# Altium PCB EPS.PcbDoc (part 8 of 10)
Units mm, origin at the board's own origin, x right, y up, seen from the top; angles counter-clockwise.
Board outline 90.25 x 93.64 mm, 8 copper layers (Top Layer, PGND, Power, Control Signals 1, Control Signals 2, Signal 1, Signal 2, Bottom Layer), stack 1.637 mm thick; 953 components, 561 nets, 2718 pads, 883 vias.
Unrouted connection lines stored in the file: 2.
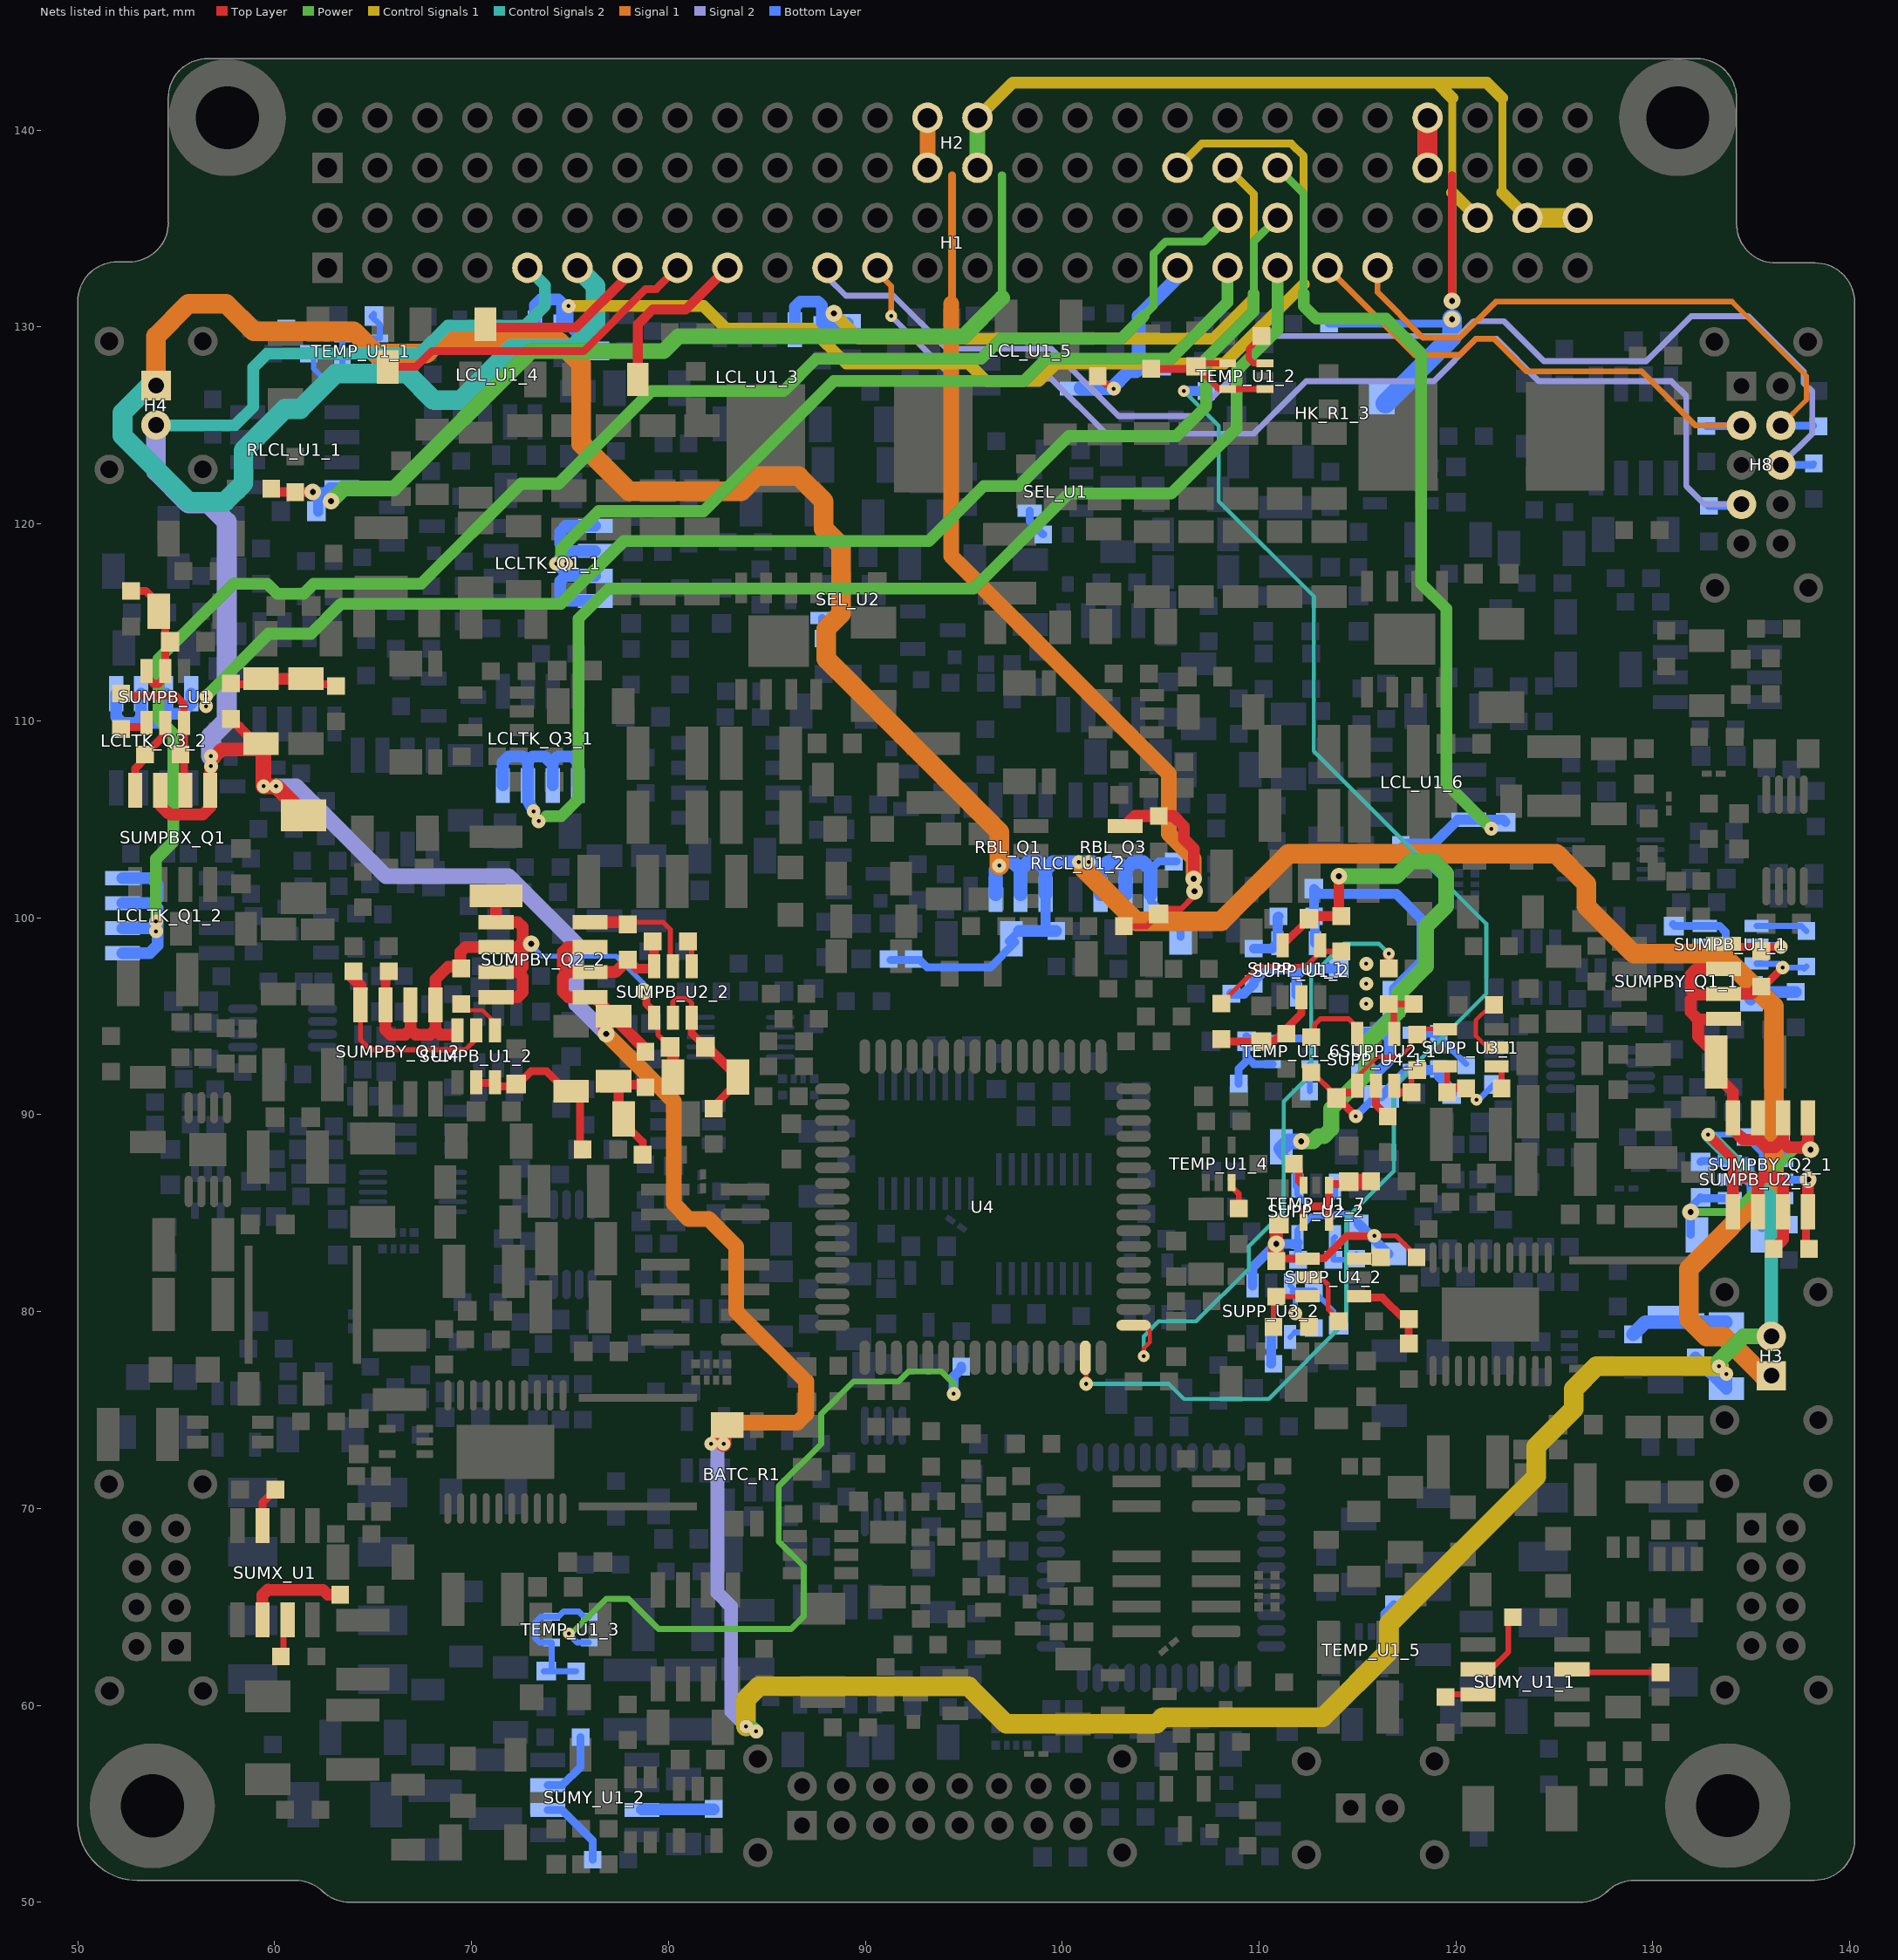
[diagram p14: the nets of this part, all layers, seen from the top]

## Via types
v1: diameter 0.7, hole 0.2, Top Layer to Bottom Layer, 440 vias
v2: diameter 0.85, hole 0.3, Top Layer to Bottom Layer, 329 vias
v3: diameter 0.6, hole 0.2, Top Layer to Bottom Layer, 70 vias
v4: diameter 0.8, hole 0.3, Top Layer to Bottom Layer, 24 vias
v5: diameter 0.75, hole 0.3, Top Layer to Bottom Layer, 13 vias
v6: diameter 0.7, hole 0.3, Top Layer to Bottom Layer, 3 vias
v7: diameter 1, hole 0.4, Top Layer to Bottom Layer, 2 vias
v8: diameter 1, hole 0.3, Top Layer to Bottom Layer, 1 vias
v9: diameter 0.75, hole 0.2, Top Layer to Bottom Layer, 1 vias

## Nets (pads, with @x,y where several pads share a name; then routed paths per layer and width w, separated by ;. In a path a pad name is that pad's centre, name@x,y a point inside that pad or via, vN(x,y) a via of type N, cw(c..) or ccw(c..) an arc to the next point about the centre after c; other vN are vias at no path point) (continued)
NetSEL_R6_2: SEL_R6.2 U4.15 | length 74.3
  Top Layer w0.254: U4.15@101.174,77.656 101.092,77.574 101.219,77.447 v1(101.219,76.327)
  Control Signals 2 w0.208: v1(101.219,76.327) 105.41,76.327 106.172,75.565 110.49,75.565 114.427,79.502 114.427,84.709 116.84,87.122 116.84,91.44 121.539,96.139 121.539,99.695 112.776,108.458 112.776,116.332 107.95,121.158 107.95,124.979 v3(106.172,126.757)
  Bottom Layer w0.5: v3(106.172,126.757) SEL_R6.2@107.315,126.757
NetSEL_R8_1: SEL_R8.1 SEL_U1.4 | length 1.5
  Bottom Layer w0.4: SEL_U1.4@98.347,120.678 98.347,120.155 SEL_R8.1@99.033,119.469
NetSEL_R9_1: SEL_R9.1 SEL_U2.4 | length 1.3
  Bottom Layer w0.3: SEL_R9.1@87.806,114.186 SEL_R9.1@87.973,114.019
  Bottom Layer w0.4: SEL_R9.1@87.806,114.186 SEL_U2.4@87.806,115.217
NetSUMPB_U1_1_2: SUMPB_U1_1.2 SUMPB_U1_1.3 SUMPBY_C1_1.2 SUMPBY_C2_1.2 SUMPBY_R4_1.1 | length 10.2
  Bottom Layer w0.4: SUMPBY_C2_1.2@131.026,99.668 131.103,99.591 SUMPB_U1_1.3@132.637,99.591 133.378,99.591 133.693,99.276 133.693,98.895 133.439,98.641 ; SUMPB_U1_1.2@132.637,98.641 133.439,98.641 ; SUMPBY_C1_1.2@134.962,95.847 134.962,96.305 133.858,97.409 133.858,98.222 133.439,98.641
  Bottom Layer w0.6: SUMPBY_C1_1.2@134.962,95.847 135.343,96.228 SUMPBY_R4_1.1@137.249,96.228
NetSUMPB_U1_1_4: SUMPB_U1_1.4 SUMPBY_R5_1.2 | length 2.6
  Bottom Layer w0.3: SUMPB_U1_1.4@135.257,99.591 137.529,99.591 SUMPBY_R5_1.2@137.795,99.325
NetSUMPB_U1_1_5: SUMPB_U1_1.5 SUMPBY_Q1_1.G SUMPBY_R1_1.2 | length 4.5
  Top Layer w0.4: SUMPBY_Q1_1.G@133.426,98.636 133.537,98.525 v1(136.498,98.525) v1@136.525,98.552
  Bottom Layer w0.4: SUMPB_U1_1.5@135.257,98.641 135.322,98.576 136.498,98.576 v1(136.498,98.525)
NetSUMPB_U1_1_6: SUMPB_U1_1.6 SUMPB_U2_1.1 SUMPBY_C5_1.1 SUMPBY_C6_1.1 SUMPBY_C7_1.1 SUMPBY_Q1_1.S SUMPBY_Q2_1.D SUMPBY_R1_1.1 SUMPBY_R5_1.1 | length 39.2
  Top Layer w0.4: SUMPBY_R1_1.1@135.471,96.725 135.841,96.725 v1(136.588,97.472)
  Top Layer w0.6: SUMPBY_Q1_1.S@133.426,94.826 132.301,94.826 ; SUMPBY_Q1_1.S@133.426,96.096 132.174,96.096 ; SUMPBY_Q1_1.S@133.426,97.366 132.164,97.366 131.915,97.117 131.915,96.355 132.174,96.096 ; SUMPBY_Q1_1.S@133.591,96.134 135.007,96.134 SUMPBY_R1_1.1@135.509,96.636 ; SUMPBY_Q2_1.D@135.339,89.972 SUMPBY_Q2_1.D@135.339,89.845 135.339,88.74 ; SUMPBY_Q2_1.D@136.609,89.972 SUMPBY_Q2_1.D@136.609,89.845 136.609,88.73 ; SUMPBY_Q2_1.D@137.879,89.972 SUMPBY_Q2_1.D@137.879,89.845 137.879,88.603 137.63,88.354 136.868,88.354 136.609,88.613 136.609,88.73 ; 132.174,96.096 132.164,96.096 131.915,95.847 131.915,95.212 132.301,94.826 ; 132.301,94.826 132.301,93.962 133.209,93.054 SUMPBY_C7_1.1@133.209,92.672 133.463,92.672 133.463,91.759 134.069,91.153 SUMPBY_Q2_1.D@134.069,89.845 134.069,89.248 134.587,88.73 135.339,88.73 135.339,88.74 ; 135.339,88.74 135.725,88.354 136.233,88.354 136.609,88.73
  Power w0.4: v2(131.916,85.052) 134.074,85.052 137.249,88.227 v2(138.011,88.227)
  Bottom Layer w0.3: SUMPB_U1_1.6@135.257,97.663 136.398,97.663 v1(136.588,97.472) 137.616,97.472 137.679,97.409 SUMPBY_R5_1.1@137.795,97.525 ; SUMPB_U1_1.6@135.257,97.691 SUMPB_U1_1.6@135.532,97.691
  Bottom Layer w0.4: SUMPBY_C5_1.1@131.916,83.909 v2(131.916,85.052) 131.916,85.296 SUMPBY_C6_1.1@132.423,85.803 132.473,85.753 SUMPB_U2_1.1@133.907,85.753
NetSUMPB_U1_2: SUMPB_U1.2 SUMPB_U1.3 SUMPBX_C1.2 SUMPBX_C2.2 SUMPBX_R4.1 | length 7.8
  Top Layer w0.4: SUMPBX_R4.1@52.705,116.597 53.456,116.597 54.103,115.95 SUMPBX_C1.2@54.103,115.57 ; SUMPB_U1.3@53.495,112.524 53.495,112.24 53.848,111.887 54.102,111.887 54.445,112.23 SUMPB_U1.2@54.445,112.524 54.445,113.765 SUMPBX_C2.2@54.688,114.008 54.446,114.25 54.446,115.659 SUMPBX_C1.2@54.054,116.051
NetSUMPB_U1_2_2: SUMPB_U1_2.2 SUMPB_U1_2.3 SUMPBY_C1_2.2 SUMPBY_C2_2.2 SUMPBY_R4_2.1 | length 8.4
  Top Layer w0.4: SUMPB_U1_2.2@70.32,91.616 71.27,91.616 71.446,91.44 72.263,91.44 73.025,92.202 73.812,92.202 SUMPBY_C1_2.2@75.032,90.983 ; SUMPBY_R4_2.1@75.516,88.227 SUMPBY_C1_2.2@75.516,91.008
NetSUMPB_U1_2_4: SUMPB_U1_2.4 SUMPBY_R5_2.2 | length 2.5
  Top Layer w0.208: SUMPBY_R5_2.2@69.469,95.62 69.787,95.302 70.56,95.302 71.181,94.681 SUMPB_U1_2.4@71.181,94.274
NetSUMPB_U1_2_5: SUMPB_U1_2.5 SUMPBY_Q1_2.G SUMPBY_R1_2.2 | length 10.1
  Top Layer w0.254: SUMPBY_Q1_2.G@64.356,95.58 64.356,93.81 64.87,93.296 69.69,93.296 70.231,93.837 SUMPB_U1_2.5@70.231,94.274
  Top Layer w0.6: SUMPBY_R1_2.2@63.959,97.255 63.959,96.95 64.351,96.558 SUMPBY_Q1_2.G@64.351,95.847
NetSUMPB_U1_2_6: SUMPB_U1_2.6 SUMPB_U2_2.1 SUMPBY_C5_2.1 SUMPBY_C6_2.1 SUMPBY_C7_2.1 SUMPBY_Q1_2.S SUMPBY_Q2_2.D SUMPBY_R1_2.1 SUMPBY_R5_2.1 | length 37.4
  Top Layer w0.254: SUMPB_U2_2.1@79.464,94.45 79.464,94.058 SUMPBY_C6_2.1@80.088,93.434
  Top Layer w0.4: v2@78.715,96.241 78.867,96.09 78.867,95.631 79.276,95.222 SUMPB_U2_2.1@79.276,94.918 ; v2(78.74,96.266) v2@78.791,96.266
  Top Layer w0.5: SUMPBY_Q1_2.S@65.626,95.58 SUMPBY_R1_2.1@65.626,97.365
  Top Layer w0.6: SUMPBY_Q1_2.S@65.626,95.58 65.626,94.318 65.875,94.069 66.637,94.069 66.896,94.328 ; SUMPBY_Q1_2.S@66.896,95.58 66.896,94.328 ; SUMPBY_Q1_2.S@68.161,95.842 68.161,94.323 ; SUMPBY_Q1_2.S@68.166,95.58 68.166,96.868 68.807,97.509 69.431,97.509 69.431,98.26 69.68,98.509 SUMPBY_Q2_2.D@71.242,98.509 72.347,98.509 ; SUMPB_U1_2.6@69.203,94.069 68.415,94.069 68.161,94.323 ; SUMPBY_C7_2.1@70.993,101.243 71.242,100.994 SUMPBY_Q2_2.D@71.242,99.779 72.357,99.779 72.606,99.53 72.606,98.768 72.347,98.509 ; SUMPBY_Q2_2.D@71.242,95.969 72.347,95.969 72.606,96.228 72.606,96.99 72.357,97.239 72.347,97.239 ; SUMPBY_Q2_2.D@71.242,97.239 72.347,97.239 ; SUMPBY_C6_2.1@80.088,93.434 80.227,93.295 SUMPBY_C5_2.1@80.227,91.91 SUMPBY_C5_2.1@80.227,91.783 ; 66.896,94.328 67.155,94.069 67.907,94.069 68.161,94.323 ; 72.347,97.239 72.606,97.498 72.606,98.26 72.357,98.509 72.347,98.509
  Bottom Layer w0.254: v2(73.025,98.679) 73.025,98.603 73.584,98.044 77.343,98.044 78.74,96.647 v2(78.74,96.266)
NetSUMPB_U1_4: SUMPB_U1.4 SUMPBX_R5.2 | length 1.3
  Top Layer w0.4: SUMPBX_R5.2@52.259,109.679 53.27,109.679 SUMPB_U1.4@53.495,109.904
NetSUMPB_U1_5: SUMPB_U1.5 SUMPBX_Q1.G SUMPBX_R1.2 | length 4.1
  Top Layer w0.4: SUMPBX_Q1.G@52.921,106.469 52.921,107.582 53.418,108.079 SUMPBX_R1.2@53.418,108.293 54.445,109.32 SUMPB_U1.5@54.445,109.904
NetSUMPB_U2_1_2: SUMPB_U2_1.2 SUMPB_U2_1.3 SUMPBY_C5_1.2 SUMPBY_C6_1.2 SUMPBY_R6_1.1 | length 8.4
  Bottom Layer w0.4: SUMPBY_C6_1.2@132.423,87.603 132.473,87.653 SUMPB_U2_1.3@133.907,87.653 134.775,87.653 134.963,87.465 134.963,86.957 134.709,86.703 ; SUMPB_U2_1.2@133.907,86.703 134.709,86.703 ; SUMPBY_R6_1.1@136.741,84.428 135.735,84.428 135.534,84.227 134.963,84.798 134.963,86.449 134.709,86.703
NetSUMPB_U2_1_4: SUMPB_U2_1.4 SUMPBY_R7_1.2 | length 1.2
  Bottom Layer w0.6: SUMPBY_R7_1.2@136.498,88.862 136.527,88.833 SUMPB_U2_1.4@136.527,87.653
NetSUMPB_U2_1_5: SUMPB_U2_1.5 SUMPBY_Q2_1.G SUMPBY_R2_1.2 | length 4.8
  Top Layer w0.4: SUMPBY_R2_1.2@137.768,83.274 137.768,85.081 SUMPBY_Q2_1.G@137.879,85.192
  Top Layer w0.6: SUMPBY_Q2_1.G@137.879,85.192 137.879,86.698 v2(137.884,86.703)
  Bottom Layer w0.4: SUMPB_U2_1.5@136.527,86.703 v2(137.884,86.703)
NetSUMPB_U2_2_2: SUMPB_U2_2.2 SUMPB_U2_2.3 SUMPBY_C5_2.2 SUMPBY_C6_2.2 SUMPBY_R6_2.1 | length 9
  Top Layer w0.254: SUMPB_U2_2.2@80.226,94.918 80.226,95.72 80.391,95.885 80.95,95.885 81.176,95.659 SUMPB_U2_2.3@81.176,94.918
  Top Layer w0.4: SUMPB_U2_2.3@81.176,94.918 81.176,94.146 SUMPBY_C6_2.2@81.888,93.434 SUMPBY_C6_2.2@82.003,93.434 ; SUMPBY_R6_2.1@82.258,90.143 82.258,90.386 83.527,91.655 SUMPBY_C5_2.2@83.527,91.91
  Top Layer w0.5: SUMPBY_C6_2.2@82.003,93.434 SUMPBY_C5_2.2@83.527,91.91
NetSUMPB_U2_2_4: SUMPB_U2_2.4 SUMPBY_R7_2.2 | length 1.4
  Top Layer w0.254: SUMPBY_R7_2.2@80.999,98.768 81.176,98.591 SUMPB_U2_2.4@81.176,97.538 SUMPB_U2_2.4@81.176,97.411
NetSUMPB_U2_2_5: SUMPB_U2_2.5 SUMPBY_Q2_2.G SUMPBY_R2_2.2 | length 6.7
  Top Layer w0.254: SUMPBY_R2_2.2@77.829,99.779 79.723,99.779 80.099,99.403 80.099,97.538 80.226,97.411 SUMPB_U2_2.5@80.226,97.538 SUMPB_U2_2.5@80.226,97.879
  Top Layer w0.6: SUMPBY_Q2_2.G@76.022,99.779 SUMPBY_R2_2.2@77.829,99.779
NetSUMPBX_C3_2: SUMPBX_C3.2 SUMPBX_C4.1 SUMPBX_R3.2 SUMPBX_R6.1 | length 5.8
  Top Layer w0.4: SUMPBX_R3.2@57.658,111.86 59.005,111.86 SUMPBX_C3.2@59.286,112.141 ; SUMPBX_C4.1@61.161,112.141 61.442,111.86 SUMPBX_R6.1@63.208,111.86
  Top Layer w0.6: SUMPBX_C3.2@59.286,112.141 SUMPBX_C4.1@61.161,112.141
NetSUMPBY_C3_1_2: SUMPBY_C3_1.2 SUMPBY_C4_1.1 SUMPBY_R3_1.2 SUMPBY_R8_1.1 | length 5
  Bottom Layer w0.7: SUMPBY_R8_1.1@128.994,78.84 129.617,79.463 SUMPBY_C3_1.2@133.693,79.463
NetSUMPBY_C3_2_2: SUMPBY_C3_2.2 SUMPBY_C4_2.1 SUMPBY_R3_2.2 SUMPBY_R8_2.1 | length 5.6
  Top Layer w0.4: SUMPBY_C3_2.2@77.178,91.53 77.19,91.518 SUMPBY_C3_2.2@77.47,91.238 ; SUMPBY_C4_2.1@77.47,89.841 78.691,88.62 SUMPBY_R8_2.1@78.691,88.227
  Top Layer w0.5: SUMPBY_C3_2.2@77.19,91.518 SUMPBY_R3_2.2@78.829,91.518 ; SUMPBY_C4_2.1@77.47,89.841 SUMPBY_C3_2.2@77.47,91.238
NetSUMX_R1_2: SUMX_R1.2 SUMX_U1.7 | length 2.1
  Top Layer w0.4: SUMX_U1.7@59.383,69.124 59.383,70.294 SUMX_R1.2@60.044,70.955
NetSUMX_R2_2: SUMX_R2.2 SUMX_U1.2 | length 5.4
  Top Layer w0.6: SUMX_U1.2@59.383,64.344 59.383,65.606 59.652,65.875 59.658,65.869 62.452,65.869 62.7,65.621 SUMX_R2.2@63.324,65.621
NetSUMX_R4_1: SUMX_R4.1 SUMX_U1.3 | length 1.8
  Top Layer w0.3: SUMX_R4.1@60.452,62.749 SUMX_U1.3@60.452,63.5
  Top Layer w0.4: SUMX_R4.1@60.149,62.446 SUMX_R4.1@60.452,62.749 ; SUMX_U1.3@60.653,63.701 SUMX_U1.3@60.653,64.344
NetSUMY_R1_1_2: SUMY_R1_1.2 SUMY_U1_1.7 | length 4.6
  Top Layer w0.3: SUMY_U1_1.7@125.893,61.826 126.046,61.673 SUMY_R1_1.2@130.391,61.673
NetSUMY_R1_2_2: SUMY_R1_2.2 SUMY_U1_2.7 | length 3.6
  Bottom Layer w0.6: SUMY_U1_2.7@78.649,54.71 SUMY_R1_2.2@82.296,54.71
NetSUMY_R2_1_2: SUMY_R2_1.2 SUMY_U1_1.2 | length 3.8
  Top Layer w0.3: SUMY_U1_1.2@121.113,61.826 121.77,61.826 122.657,62.713 122.657,64.248 SUMY_R2_1.2@122.887,64.478
NetSUMY_R2_2_2: SUMY_R2_2.2 SUMY_U1_2.2 | length 3.9
  Bottom Layer w0.4: SUMY_U1_2.2@73.869,54.684 74.602,54.684 76.151,53.135 SUMY_R2_2.2@76.151,52.159
NetSUMY_R4_1_1: SUMY_R4_1.1 SUMY_U1_1.3 | length 1.7
  Top Layer w0.3: SUMY_R4_1.1@119.469,60.425 119.6,60.556 SUMY_U1_1.3@121.113,60.556
NetSUMY_R4_2_1: SUMY_R4_2.1 SUMY_U1_2.3 | length 3.6
  Bottom Layer w0.4: SUMY_U1_2.3@73.869,55.954 74.623,55.954 75.538,56.869 SUMY_R4_2.1@75.538,58.382
NetSUPP_C3_1_2: SUPP_C3_1.2 SUPP_C9_1.1 SUPP_C10_1.1 SUPP_R6_1.1 SUPP_R7_1.1 SUPP_R8_1.1 SUPP_U2_1.5 SUPP_U3_1.1 SUPP_U4_1.4 | length 17.6
  Top Layer w0.208: SUPP_U4_1.4@114.976,91.476 114.976,91.912 116.002,92.939 117.17,92.939 117.704,93.472 117.704,93.762 SUPP_R8_1.1@118.034,94.093 ; SUPP_R8_1.1@118.034,94.067 SUPP_R8_1.1@118.312,94.346
  Top Layer w0.254: SUPP_R7_1.1@112.649,92.318 112.649,92.213 SUPP_C3_1.2@113.93,90.932 ; SUPP_R8_1.1@118.312,94.346 SUPP_U3_1.1@119.442,94.346
  Top Layer w0.4: v1(114.91,89.916) 113.97,90.856 SUPP_C3_1.2@113.93,90.856 113.93,90.932 113.93,91.125 115.001,91.125 SUPP_U4_1.4@115.001,91.4
  Bottom Layer w0.4: v1(114.91,89.916) 115.925,90.931 SUPP_C9_1.1@116.205,90.931
  Bottom Layer w0.5: SUPP_C9_1.1@116.205,90.931 117.542,92.268 SUPP_U2_1.5@117.896,92.268 119.049,92.268 119.126,92.191 119.126,91.948 119.772,91.302 SUPP_C10_1.1@119.772,91.059
NetSUPP_C3_2_2: SUPP_C3_2.2 SUPP_C9_2.1 SUPP_C10_2.1 SUPP_R6_2.1 SUPP_R7_2.1 SUPP_R8_2.1 SUPP_U2_2.5 SUPP_U3_2.1 SUPP_U4_2.4 | length 21.1
  Top Layer w0.254: v1(115.849,83.845) 116.953,83.845 SUPP_R7_2.1@118.121,82.677
  Top Layer w0.4: SUPP_R8_2.1@110.871,82.688 112.278,82.688 112.355,82.611 112.888,82.611 112.979,82.702 113.309,82.702 114.452,83.845 v1(115.849,83.845)
  Top Layer w0.7: v2(110.871,83.439) SUPP_C3_2.2@110.871,84.444
  Top Layer w0.8: SUPP_R8_2.1@110.871,82.688 v2(110.871,83.439)
  Bottom Layer w0.3: SUPP_U2_2.5@111.953,83.5 SUPP_U2_2.5@111.953,83.78 111.953,84.14 112.654,84.841 113.797,84.841 113.919,84.963 114.554,84.963 115.062,84.455 SUPP_C10_2.1@115.062,84.444 ; SUPP_C9_2.1@116.574,82.932 SUPP_C9_2.1@116.586,82.932
  Bottom Layer w0.4: SUPP_U2_2.5@111.953,83.5 111.978,83.475 SUPP_R6_2.1@111.978,82.626
  Bottom Layer w0.5: SUPP_U3_2.1@109.667,81.32 109.667,82.235 v2(110.871,83.439) 111.892,83.439 SUPP_U2_2.5@111.953,83.5 ; SUPP_C10_2.1@115.062,84.444 SUPP_C9_2.1@116.574,82.932
NetSUPP_C4_1_2: SUPP_C4_1.2 SUPP_R4_1.1 SUPP_R10_1.2 SUPP_U1_1.2 | length 7.3
  Bottom Layer w0.5: SUPP_R4_1.1@108.596,96.139 109.231,96.139 SUPP_R10_1.2@109.728,96.636 109.728,96.774 110.363,97.409 111.506,97.409 111.887,97.028 ; SUPP_U1_1.2@111.887,96.099 111.887,97.028 ; SUPP_C4_1.2@114.046,97.42 112.279,97.42 111.887,97.028
  other v1: 115.443,95.631 115.443,96.647 115.443,97.663
NetSUPP_C4_2_2: SUPP_C4_2.2 SUPP_R4_2.1 SUPP_R10_2.2 SUPP_U1_2.2 | length 5.8
  Top Layer w0.3: SUPP_R4_2.1@111.379,94.118 SUPP_R4_2.1@111.379,94.121
  Top Layer w0.4: SUPP_R10_2.2@107.95,93.715 SUPP_C4_2.2@110.109,93.715 110.733,93.715 111.136,94.118 SUPP_R4_2.1@111.379,94.118 ; SUPP_R4_2.1@111.379,94.121 111.379,94.361 112.141,95.123 SUPP_U1_2.2@112.141,95.972
NetSUPP_C7_1_1: SUPP_C7_1.1 SUPP_C8_1.1 SUPP_R5_1.1 SUPP_U1_1.5 SUPP_U2_1.1 SUPP_U2_1.3 | length 19.6
  Bottom Layer w0.5: SUPP_U1_1.5@112.837,98.719 112.837,100.026 SUPP_R5_1.1@112.787,100.076 SUPP_C8_1.1@112.787,101.473 113.041,101.219 116.967,101.219 118.237,99.949 118.237,97.79 116.841,96.394 SUPP_C7_1.1@116.841,95.885 116.841,95.251 116.014,94.424 ; SUPP_U2_1.1@115.276,92.268 116.144,92.268 116.586,92.71 116.586,93.853 116.014,94.424 ; SUPP_U2_1.3@115.276,94.168 115.758,94.168 116.014,94.424
NetSUPP_C7_2_1: SUPP_C7_2.1 SUPP_C8_2.1 SUPP_R5_2.1 SUPP_U1_2.5 SUPP_U2_2.1 SUPP_U2_2.3 | length 35.4
  Top Layer w0.3: SUPP_R5_2.1@114.173,100.087 SUPP_R5_2.1@114.3,100.087
  Top Layer w0.4: SUPP_U1_2.5@111.191,98.592 112.533,99.934 SUPP_C8_2.1@112.533,99.949
  Top Layer w0.5: SUPP_C8_2.1@112.798,100.087 SUPP_R5_2.1@114.173,100.087
  Top Layer w0.53: SUPP_R5_2.1@114.046,100.203 v2(114.046,102.108)
  Power w0.8: v2(112.141,88.646) 112.744,88.646 113.011,88.912 113.296,88.912 113.665,89.281 113.665,90.297 115.443,92.075 115.443,93.599 117.094,95.25 117.094,96.139 118.491,97.536 118.491,99.568 119.507,100.584 119.507,102.235 118.872,102.87 117.729,102.87 116.967,102.108 v2(114.046,102.108)
  Bottom Layer w0.3: SUPP_U2_2.1@111.953,86.4 111.953,85.93 112.539,85.344 113.284,85.344 113.853,85.913 SUPP_U2_2.3@113.853,86.4
  Bottom Layer w0.5: SUPP_C7_2.1@111.126,88.392 SUPP_C7_2.1@111.126,88.367 111.126,88.265 111.126,88.01 111.953,87.183 SUPP_U2_2.1@111.953,86.4
  Bottom Layer w0.8: SUPP_C7_2.1@111.126,88.265 111.507,88.646 v2(112.141,88.646)
NetSUPP_C11_1_2: SUPP_C11_1.2 SUPP_R1_1.2 SUPP_R9_1.1 SUPP_U3_1.3 | length 4.4
  Top Layer w0.3: SUPP_U3_1.3@119.442,92.446 119.543,92.344 SUPP_R9_1.1@119.543,91.135 SUPP_R9_1.1@119.747,91.338 ; SUPP_R1_1.2@120.512,91.338 121.031,90.819 v3(121.031,90.754)
  Top Layer w0.4: SUPP_R9_1.1@119.747,91.338 SUPP_R1_1.2@120.512,91.338
  Bottom Layer w0.3: v3(121.031,90.754) 121.144,90.754 SUPP_C11_1.2@121.92,91.531
NetSUPP_C11_2_2: SUPP_C11_2.2 SUPP_R1_2.2 SUPP_R9_2.1 SUPP_U3_2.3 | length 5.8
  Top Layer w0.254: v1(111.836,79.908) 112.522,79.223 SUPP_R9_2.1@112.533,79.223
  Bottom Layer w0.254: SUPP_U3_2.3@111.567,81.32 111.836,81.051 111.836,81.012 v1(111.836,79.908) ; SUPP_R1_2.2@112.801,81.012 113.792,80.021 113.792,79.564 SUPP_C11_2.2@114.046,79.31
  Bottom Layer w0.3: SUPP_U3_2.3@111.709,81.012 SUPP_U3_2.3@111.836,81.012
  Bottom Layer w0.4: SUPP_U3_2.3@111.836,81.012 SUPP_R1_2.2@112.801,81.012
NetSUPP_R1_1_1: SUPP_R1_1.1 SUPP_U3_1.4 | length 1.2
  Top Layer w0.3: SUPP_U3_1.4@122.062,92.446 122.312,92.195 SUPP_R1_1.1@122.312,91.338
NetSUPP_R1_2_1: SUPP_R1_2.1 SUPP_U3_2.4 | length 1.4
  Bottom Layer w0.254: SUPP_U3_2.4@111.567,78.7 SUPP_U3_2.4@111.81,78.943 ; SUPP_R1_2.1@112.558,78.943 SUPP_R1_2.1@112.776,79.161
  Bottom Layer w0.3: SUPP_U3_2.4@111.81,78.943 SUPP_R1_2.1@112.558,78.943
NetSUPP_R5_1_2: SUPP_R5_1.2 SUPP_R10_1.1 SUPP_U1_1.4 | length 2.7
  Bottom Layer w0.5: SUPP_R10_1.1@109.728,98.436 110.654,98.436 SUPP_U1_1.4@110.937,98.719 110.937,100.026 SUPP_R5_1.2@110.987,100.076
NetSUPP_R5_2_2: SUPP_R5_2.2 SUPP_R10_2.1 SUPP_U1_2.4 | length 7.8
  Top Layer w0.254: SUPP_R10_2.1@108.077,95.642 109.971,97.536 112.395,97.536 SUPP_U1_2.4@113.091,98.232
  Top Layer w0.3: SUPP_R10_2.1@107.95,95.515 SUPP_R10_2.1@108.077,95.642 ; SUPP_U1_2.4@113.091,98.232 113.091,98.465 113.269,98.287 SUPP_R5_2.2@114.173,98.287 SUPP_R5_2.2@114.3,98.287
NetSUPP_R6_1_2: SUPP_R6_1.2 SUPP_R11_1.1 SUPP_U2_1.4 | length 3.3
  Bottom Layer w0.3: SUPP_R6_1.2@119.126,93.991 119.126,93.969 SUPP_R11_1.1@120.523,92.572
  Bottom Layer w0.5: SUPP_U2_1.4@117.896,94.168 118.949,94.168 SUPP_R6_1.2@119.126,93.991
NetSUPP_R6_2_2: SUPP_R6_2.2 SUPP_R11_2.1 SUPP_U2_2.4 | length 3.4
  Bottom Layer w0.3: SUPP_U2_2.4@113.853,83.78 113.778,83.705 SUPP_R6_2.2@113.778,82.626 SUPP_R11_2.1@114.873,82.626 ; SUPP_R11_2.1@114.797,82.55 SUPP_R11_2.1@114.873,82.626 ; SUPP_R11_2.1@114.873,82.626 SUPP_R11_2.1@114.935,82.688 114.935,82.906 115.214,82.626 SUPP_R11_2.1@114.873,82.626
NetSUPP_R7_1_2: SUPP_R7_1.2 SUPP_U4_1.3 | length 3.7
  Top Layer w0.254: SUPP_R7_1.2@112.649,93.864 112.827,94.042 112.827,94.59 113.106,94.869 114.554,94.869 115.001,94.422 SUPP_U4_1.3@115.001,94.02
NetSUPP_R7_2_2: SUPP_R7_2.2 SUPP_U4_2.3 | length 1.3
  Top Layer w0.5: SUPP_U4_2.3@115.041,82.677 SUPP_R7_2.2@116.321,82.677
NetSUPP_R8_1_2: SUPP_R8_1.2 SUPP_R9_1.2 SUPP_U4_1.6 | length 2.2
  Top Layer w0.3: SUPP_R9_1.2@117.743,91.135 117.743,92.078 SUPP_R8_1.2@118.008,92.343
  Top Layer w0.4: SUPP_U4_1.6@116.901,91.4 SUPP_U4_1.6@116.901,91.451 ; SUPP_U4_1.6@116.901,91.755 SUPP_U4_1.6@116.956,91.81 ; SUPP_U4_1.6@116.992,91.135 SUPP_R9_1.2@117.743,91.135
NetSUPP_R8_2_2: SUPP_R8_2.2 SUPP_R9_2.2 SUPP_U4_2.6 | length 3.2
  Top Layer w0.254: SUPP_R9_2.2@110.733,79.223 110.733,80.623 SUPP_R8_2.2@110.871,80.761 112.381,80.761 SUPP_U4_2.6@112.431,80.711
NetSUPP_R12_1_1: SUPP_R12_1.1 SUPP_U3_1.5 | length 3
  Top Layer w0.208: SUPP_U3_1.5@121.679,93.332 121.006,94.005 121.006,94.793 121.717,95.504 SUPP_R12_1.1@121.931,95.504
NetSUPP_R12_2_1: SUPP_R12_2.1 SUPP_U3_2.5 | length 1.4
  Bottom Layer w0.5: SUPP_R12_2.1@110.606,77.343 110.617,77.354 SUPP_U3_2.5@110.617,78.7
NetSUPP_R13_1_1: SUPP_R13_1.1 SUPP_R15_1.2 SUPP_U4_1.1 | length 3
  Top Layer w0.3: SUPP_U4_1.1@116.901,94.02 116.84,94.081 116.84,95.366 SUPP_R13_1.1@116.586,95.62 SUPP_R15_1.2@117.856,95.62
NetSUPP_R13_1_2: SUPP_R13_1.2 U4.17 | length 31.9
  Top Layer w0.208: U4.17@103.624,79.306 104.158,79.306 104.445,79.019 104.445,78.435 104.14,78.13 v3(104.14,77.724)
  Top Layer w0.5: SUPP_R13_1.2@116.586,97.42 v3(116.586,98.171)
  Control Signals 2 w0.208: v3(104.14,77.724) 104.14,78.74 104.902,79.502 106.807,79.502 109.474,82.169 109.474,83.312 111.252,85.09 111.252,90.678 112.649,92.075 112.649,97.028 114.3,98.679 116.078,98.679 v3(116.586,98.171)
NetSUPP_R13_2_1: SUPP_R13_2.1 SUPP_R15_2.2 SUPP_U4_2.1 | length 4.3
  Top Layer w0.4: SUPP_U4_2.1@114.975,80.711 116.266,80.711 117.359,79.618 SUPP_R15_2.2@117.602,79.618 SUPP_R13_2.1@117.602,78.37
NetSUPP_R14_1_1: SUPP_R14_1.1 SUPP_U4_1.5 | length 1.8
  Top Layer w0.4: SUPP_U4_1.5@115.926,91.476 115.926,90.511 SUPP_R14_1.1@116.535,89.902
NetSUPP_R14_2_1: SUPP_R14_2.1 SUPP_U4_2.5 | length 3
  Top Layer w0.254: SUPP_U4_2.5@112.355,81.661 113.208,81.661 113.513,81.356 113.513,80.112 SUPP_R14_2.1@113.843,79.781
NetTEMP_C1_1_1: TEMP_C1_1.1 TEMP_R4.1 TEMP_U1_1.1 TEMP_U1_1.4 TEMP_U1_1.5 | length 7.7
  Bottom Layer w0.3: TEMP_R4.1@60.59,129.921 62.103,129.921 62.596,129.428 TEMP_U1_1.5@63.439,129.428 ; TEMP_U1_1.4@63.439,128.128 TEMP_U1_1.5@63.439,129.428 ; TEMP_C1_1.1@64.908,130.556 65.339,130.125 TEMP_U1_1.1@65.339,129.428 TEMP_U1_1.5@63.439,129.428 ; TEMP_C1_1.1@65.035,130.556 TEMP_C1_1.1@65.035,130.672
NetTEMP_C1_2_1: TEMP_C1_2.1 TEMP_R1.1 TEMP_U1_2.1 TEMP_U1_2.4 TEMP_U1_2.5 | length 7
  Top Layer w0.3: TEMP_C1_2.1@106.813,128.01 107.965,126.858 TEMP_U1_2.5@108.397,126.858 TEMP_U1_2.1@110.297,126.858 ; TEMP_C1_2.1@107.087,128.158 TEMP_U1_2.4@108.397,128.158
  Top Layer w0.4: TEMP_R1.1@104.521,127.878 106.299,127.878
NetTEMP_C1_3_1: TEMP_C1_3.1 TEMP_R2.1 TEMP_U1_3.1 TEMP_U1_3.4 TEMP_U1_3.5 | length 7.9
  Bottom Layer w0.3: TEMP_C1_3.1@73.66,61.733 TEMP_C1_3.1@73.787,61.733 TEMP_C1_3.1@74.069,61.733 ; TEMP_R2.1@75.311,61.733 TEMP_C1_3.1@74.069,61.733 ; TEMP_U1_3.1@75.969,64.493 75.715,64.493 75.438,64.77 74.676,64.77 74.399,64.493 TEMP_U1_3.5@74.069,64.493 73.51,64.493 73.241,64.224 73.241,63.411 73.459,63.193 TEMP_U1_3.4@74.069,63.193 TEMP_C1_3.1@74.069,61.733
NetTEMP_C1_6_1: TEMP_C1_6.1 TEMP_R5_1.1 TEMP_U1_6.1 TEMP_U1_6.4 TEMP_U1_6.5 | length 7.3
  Bottom Layer w0.4: TEMP_R5_1.1@108.966,91.578 108.966,92.329 109.353,92.716 109.358,92.71 109.358,92.953 ; TEMP_U1_6.4@110.683,92.568 109.743,92.568 109.358,92.953 ; TEMP_U1_6.1@112.583,93.868 TEMP_U1_6.5@110.683,93.868 109.47,93.868 109.358,93.98 TEMP_C1_6.1@109.358,93.726 109.358,92.953
NetTEMP_C1_7_1: TEMP_C1_7.1 TEMP_R5_2.1 TEMP_U1_7.1 TEMP_U1_7.4 TEMP_U1_7.5 | length 6.2
  Top Layer w0.4: TEMP_U1_7.4@112.253,84.521 112.253,85.075 112.522,85.344 113.553,85.344 ; TEMP_U1_7.5@113.553,84.521 113.553,85.344 ; TEMP_C1_7.1@114.681,86.603 TEMP_C1_7.1@114.692,86.614 ; TEMP_C1_7.1@114.83,86.498 114.808,86.476 113.608,86.476 TEMP_U1_7.1@113.553,86.421 113.553,85.344
  Top Layer w0.8: TEMP_C1_7.1@114.692,86.614 TEMP_R5_2.1@115.686,86.614
NetTEMP_R1_1_1: TEMP_R1_1.1 TEMP_U1_1.3 | length 4.6
  Bottom Layer w0.254: TEMP_R1_1.1@61.733,128.651 61.976,128.408 61.976,127.889 62.357,127.508 64.516,127.508 65.136,128.128 TEMP_U1_1.3@65.339,128.128
NetTEMP_R1_2_1: TEMP_R1_2.1 TEMP_U1_2.3 | length 2.3
  Top Layer w0.3: TEMP_R1_2.1@110.12,129.54 109.474,128.894 109.474,128.397 109.713,128.158 TEMP_U1_2.3@110.297,128.158
NetTEMP_R1_3_1: TEMP_R1_3.1 TEMP_U1_3.3 | length 36.4
  Power w0.3: v3(74.951,63.648) 75.036,63.648 75.057,63.627 76.835,65.405 77.978,65.405 79.502,63.881 86.233,63.881 86.868,64.516 86.868,67.056 85.598,68.326 85.598,71.12 87.757,73.279 87.757,74.803 89.408,76.454 91.694,76.454 92.202,76.962 93.853,76.962 94.488,76.327 v1(94.488,75.819)
  Bottom Layer w0.3: v3(74.951,63.648) 74.951,63.606 75.364,63.193 TEMP_U1_3.3@75.969,63.193
  Bottom Layer w0.5: v1(94.488,75.819) 94.488,76.697 94.869,77.078 TEMP_R1_3.1@94.869,77.205
NetTEMP_R1_4_1: TEMP_R1_4.1 TEMP_U1_4.3 | length 1.5
  Top Layer w0.3: TEMP_U1_4.3@108.6,86.553 108.6,86.345 108.966,85.979 TEMP_R1_4.1@108.966,85.228
NetTEMP_R1_5_1: TEMP_R1_5.1 TEMP_U1_5.3 | length 1.6
  Bottom Layer w0.4: TEMP_U1_5.3@116.362,63.749 116.362,64.662 TEMP_R1_5.1@116.84,65.14
NetTEMP_R1_6_1: TEMP_R1_6.1 TEMP_U1_6.3 | length 1.4
  Bottom Layer w0.3: TEMP_R1_6.1@112.583,91.186 TEMP_U1_6.3@112.583,92.568
NetTEMP_R1_7_1: TEMP_R1_7.1 TEMP_U1_7.3 | length 1.5
  Top Layer w0.4: TEMP_R1_7.1@111.644,87.63 TEMP_R1_7.1@111.771,87.503 112.014,87.26 112.014,86.66 TEMP_U1_7.3@112.253,86.421
PC-104_EXTX: EMIXS_FB1.2 H1.13 | length 8.8
  Top Layer w0.5: EMIXS_FB1.2@70.7,130.137 70.865,129.972 75.311,129.972 77.916,132.577 H1.13@77.916,133.008
PC-104_EXTY+: EMIYS_FB1_1.2 H1.15 | length 16.8
  Top Layer w0.4: EMIYS_FB1_1.2@65.747,127.978 67.17,127.978 67.97,128.778 75.692,128.778 78.842,131.928 79.376,131.928 H1.15@80.456,133.008
PC-104_EXTY-: EMIYS_FB1_2.2 H1.17 | length 8.5
  Top Layer w0.5: EMIYS_FB1_2.2@78.447,127.343 78.447,130.136 79.21,130.899 80.887,130.899 H1.17@82.996,133.008
PC-104_I2C-BUS_SCL: H1.43 H8.7 RPT_R4_1.2 | length 31
  Signal 1 w0.254: 134.01,131.293 137.795,127.508 137.795,126.295 H8.7@136.5,125
  Signal 1 w0.3: H1.43@116.016,133.008 116.016,131.762 118.314,129.464 120.193,129.464 122.022,131.293 134.01,131.293
  Bottom Layer w0.3: RPT_R4_1.2@138.133,125 RPT_R4_1.2@138.176,124.957
  Bottom Layer w0.4: H8.7@136.5,125 RPT_R4_1.2@138.133,125
PC-104_I2C-BUS_SDA: H1.41 H8.2 RPT_R6_1.2 | length 26.8
  Signal 1 w0.3: H1.41@113.476,133.008 117.91,128.575 120.193,128.575 121.031,129.413 121.92,129.413 123.583,127.75 129.425,127.75 132.175,125 H8.2@134.5,125
  Bottom Layer w0.3: H8.2@134.479,124.979 H8.2@134.5,125
  Bottom Layer w0.4: RPT_R6_1.2@132.715,124.979 H8.2@134.479,124.979
PC-104_I2C-PAYLOAD_SCL: H1.21 H8.8 RPT_R4_2.2 | length 65.2
  Signal 2 w0.3: H1.21@88.076,133.008 88.076,132.523 89.011,131.588 91.424,131.588 94.107,128.905 99.441,128.905 102.87,125.476 106.68,125.476 110.744,129.54 120.142,129.54 120.904,130.302 122.428,130.302 124.46,128.27 129.667,128.27 131.953,130.556 134.849,130.556 137.668,127.737 137.668,127.149 138.1,126.717 138.1,124.6 H8.8@136.5,123
  Bottom Layer w0.3: RPT_R4_2.2@138.102,123 RPT_R4_2.2@138.176,123.074
  Bottom Layer w0.4: H8.8@136.5,123 RPT_R4_2.2@138.102,123
PC-104_I2C-PAYLOAD_SDA: H1.23 H8.4 RPT_R6_2.2 | length 58.3
  Signal 1 w0.3: H1.23@90.616,133.008 90.616,132.777 91.313,132.08 v3(91.313,130.556)
  Signal 2 w0.3: v3(91.313,130.556) 94.488,127.381 99.441,127.381 102.235,124.587 109.728,124.587 112.395,127.254 118.872,127.254 121.031,129.413 122.047,129.413 124.206,127.254 130.937,127.254 131.699,126.492 131.699,121.92 132.619,121 H8.4@134.5,121
  Bottom Layer w0.3: H8.4@134.415,120.915 H8.4@134.5,121
  Bottom Layer w0.4: RPT_R6_2.2@132.842,120.915 H8.4@134.415,120.915
PC-104_Kill-Switch_Pri: BATC_R1.4 H1.9 H3.2 H4.2 SUMPB_U1.6 SUMPB_U2_1.6 SUMPB_U2_2.6 SUMPBX_C3.1 SUMPBX_D1.K SUMPBX_Q1.S SUMPBX_R1.1 SUMPBX_R3.1 SUMPBX_R5.1 SUMPBY_C3_1.1 SUMPBY_C3_2.1 SUMPBY_Q2_1.S SUMPBY_Q2_2.S SUMPBY_R2_1.1 SUMPBY_R2_2.1 SUMPBY_R3_1.1 SUMPBY_R3_2.1 SUMPBY_R7_1.1 SUMPBY_R7_2.1 | length 252.2
  Top Layer w0.4: SUMPBX_R5.1@52.451,111.252 54.991,111.252 55.395,110.848 SUMPB_U1.6@55.395,109.904 55.395,108.47 SUMPBX_R1.1@55.218,108.293 ; SUMPBX_Q1.S@55.395,106.692 SUMPBX_R1.1@55.395,108.126 ; SUMPBY_Q2_1.S@136.609,85.065 SUMPBY_Q2_1.S@136.609,85.192
  Top Layer w0.5: SUMPBX_R3.1@57.785,110.098 59.043,108.84 SUMPBX_C3.1@59.309,108.84 ; SUMPBY_R2_2.1@77.94,97.868 78.397,97.411 79.276,97.411 SUMPB_U2_2.6@79.276,97.538 79.276,98.691 SUMPBY_R7_2.1@79.199,98.768 ; v1(132.804,88.989) 134.061,87.732 134.061,86.563
  Top Layer w0.6: SUMPBX_Q1.S@54.191,106.469 54.191,105.702 54.571,105.322 54.613,105.322 54.691,105.245 56.35,105.245 56.731,105.626 SUMPBX_Q1.S@56.731,106.469 56.731,107.658 v1(56.769,107.696) ; SUMPBX_D1.K@61.293,105.458 SUMPBX_D1.K@61.585,105.458 ; SUMPBY_Q2_2.S@76.022,98.509 74.887,98.509 74.638,98.26 74.638,97.498 74.897,97.239 ; SUMPBY_R2_2.1@77.94,97.868 77.311,97.239 SUMPBY_Q2_2.S@76.022,97.239 74.897,97.239 ; SUMPBY_R3_2.1@78.829,93.318 77.47,94.677 77.47,94.742 76.243,95.969 SUMPBY_Q2_2.S@76.022,95.969 74.897,95.969 74.638,96.228 74.638,96.99 74.887,97.239 74.897,97.239 ; 134.061,86.563 134.061,85.2 SUMPBY_Q2_1.S@134.069,85.192 ; 134.069,86.571 134.328,86.83 135.09,86.83 135.339,86.581 135.339,86.571 ; SUMPBY_Q2_1.S@135.339,85.192 135.339,86.571 ; SUMPBY_R2_1.1@136.133,83.185 136.609,83.661 SUMPBY_Q2_1.S@136.609,85.065 ; SUMPBY_Q2_1.S@136.609,85.192 136.609,86.581 136.36,86.83 135.598,86.83 135.339,86.571
  Top Layer w0.7: v1(56.769,108.204) 56.972,108.204 57.316,108.548 SUMPBX_C3.1@59.436,108.548
  Top Layer w0.8: SUMPBX_C3.1@59.69,108.966 59.436,108.712 59.436,108.548 v1(59.436,106.68) v1(60.071,106.68) SUMPBX_D1.K@61.293,105.458 ; v2(76.835,94.107) 76.835,94.614 SUMPBY_C3_2.1@77.216,94.995 ; v1(82.804,73.279) BATC_R1.4@82.804,74.295 ; H3.2@136.017,78.74 H3.2@136.133,78.856
  Power w0.7: v1(83.947,58.928) 84.328,58.801 v1(84.455,58.674)
  Power w0.8: v1(133.35,77.216) 133.35,77.47 134.62,78.74 H3.2@136.017,78.74
  Signal 1 w0.8: v2(76.835,94.107) 80.264,90.678 80.264,85.471 81.026,84.709 82.042,84.709 83.439,83.312 83.439,80.01 86.995,76.454 86.995,74.803 86.551,74.359 83.376,74.359 v1@82.423,73.406
  Signal 2 w0.7: 82.486,72.898 82.486,65.723 83.185,65.024 83.185,59.69 v1(83.947,58.928)
  Signal 2 w0.8: v1(60.071,106.68) 61.087,106.68 65.659,102.108 71.882,102.108 75.311,98.679 75.311,95.631 v2(76.835,94.107)
  Signal 2 w1: H4.2@53.975,125 53.975,122.682 55.626,121.031 56.642,121.031 57.568,120.105 57.568,110.019 56.769,109.22 v1(56.769,108.204)
  Control Signals 1 w1: v1(83.947,58.928) 83.947,60.325 84.582,60.96 95.25,60.96 97.155,59.055 104.775,59.055 105.105,59.385 113.233,59.385 116.586,62.738 116.586,64.135 124.079,71.628 124.079,73.152 125.984,75.057 125.984,76.073 127.127,77.216 v1(133.35,77.216)
  Control Signals 2 w0.6: H4.2@53.975,125 57.969,125 58.903,125.933 58.903,127.94 59.614,128.651 67.361,128.651 68.783,130.073 72.72,130.073 73.736,131.089 73.736,132.109 H1.9@72.836,133.008
  Control Signals 2 w0.7: v1(132.804,88.989) 136.017,85.776 H3.2@136.017,78.74
  Bottom Layer w0.254: SUMPBY_R7_1.1@134.698,88.862 135.509,88.051 135.509,86.284 136.04,85.753 SUMPB_U2_1.6@136.527,85.753
  Bottom Layer w0.3: v1(132.804,88.989) 134.571,88.989 SUMPBY_R7_1.1@134.698,88.862
  Bottom Layer w0.6: SUMPBY_R3_1.1@132.169,77.675 132.169,77.636 SUMPBY_C3_1.1@133.731,76.074 v1(133.731,76.835) v1(133.35,77.216)
  other v1: 82.169,73.279
PC-104_Kill-Switch_Sec: H1.11 H3.1 H4.1 RBL_C1.1 RBL_C3.1 RBL_Q1.S RBL_Q3.S RBL_R1.1 RBL_R3.1 RBL_R6.1 RBL_R8.1 | length 203
  Signal 1 w1: H4.1@53.975,127 H4.1@53.975,127.025 53.975,129.54 55.626,131.191 57.531,131.191 58.928,129.794 64.008,129.794 65.136,128.666 67.706,128.666 68.326,129.286 74.422,129.286 75.565,128.143 75.565,124.079 77.978,121.666 83.693,121.666 84.455,122.428 86.614,122.428 87.884,121.158 87.884,119.761 88.773,118.872 88.773,115.443 88.011,114.681 88.011,113.157 96.802,104.366 v1(96.802,102.644) ; 101.092,102.489 103.759,99.822 108.077,99.822 111.506,103.251 125.095,103.251 126.619,101.727 126.619,100.584 129.032,98.171 133.477,98.171 136.144,95.504 136.144,86.487 131.826,82.169 131.826,79.629 132.715,78.74 133.604,78.74 135.604,76.74 H3.1@136.017,76.74
  Control Signals 2 w1: H4.1@53.975,127 53.619,127 52.273,125.654 52.273,124.485 55.626,121.133 57.48,121.133 58.42,122.072 58.42,123.749 60.504,125.833 61.291,125.833 63.106,127.648 66.713,127.648 68.072,126.289 69.469,126.289 72.085,128.905 75.159,128.905 76.302,130.048 76.302,132.083 H1.11@75.376,133.008
  Bottom Layer w0.4: RBL_R3.1@91.275,97.868 92.759,97.868 93.15,97.477 96.333,97.477 RBL_C1.1@97.624,98.768 ; RBL_C1.1@97.281,98.806 RBL_C1.1@97.408,98.933 RBL_C1.1@97.8,99.325 ; 104.488,102.446 104.912,102.87 RBL_R8.1@105.814,102.87 ; RBL_Q3.S@104.502,101.18 104.502,100.857 106.006,99.353 RBL_C3.1@106.006,99.022
  Bottom Layer w0.5: 99.154,99.358 RBL_Q1.S@99.154,101.194
  Bottom Layer w0.6: RBL_C1.1@97.8,99.325 99.121,99.325 ; 99.154,99.358 99.121,99.325 ; RBL_R6.1@99.695,99.325 99.121,99.325
  Bottom Layer w0.7: RBL_Q1.S@96.614,101.194 96.614,102.456 v1(96.802,102.644) 96.99,102.832 97.498,102.832 97.884,102.446 ; RBL_Q1.S@97.884,101.194 97.884,102.446 ; RBL_Q1.S@99.154,101.194 99.154,102.446 ; RBL_Q3.S@101.948,101.194 101.948,102.456 ; RBL_Q3.S@103.218,101.194 103.218,102.446 ; RBL_Q3.S@104.488,101.194 104.488,102.446 104.102,102.832 103.594,102.832 103.218,102.456 103.218,102.446 ; 97.884,102.446 97.884,102.456 98.26,102.832 98.768,102.832 99.154,102.446 ; 99.154,102.446 99.154,102.456 99.53,102.832 v1(100.838,102.832) v1(101.346,102.832) 101.572,102.832 101.948,102.456 ; 101.948,102.456 102.324,102.832 102.832,102.832 103.218,102.446
PC-104_LCL_3V3: H1.48 H1.50 H1.52 H2.27 H2.28 RLCL_C2_1.1 RLCL_R1_1.2 RLCL_R4_1.2 RLCL_U1_1.8 | length 96.6
  Top Layer w0.5: RLCL_R4_1.2@59.79,121.628 v2(61.938,121.628)
  Power w0.4: 96.94,131.484 96.94,137.7
  Power w0.8: v2(62.865,121.158) 63.5,121.793 66.04,121.793 73.025,128.778 79.756,128.778 80.518,129.54 94.996,129.54 96.94,131.484 ; H2.27@95.696,138.088 H2.28@95.696,140.628
  Control Signals 1 w0.4: 119.812,136.833 119.812,141.63 ; 122.352,136.833 122.352,141.63
  Control Signals 1 w0.6: H2.28@95.696,140.628 97.485,142.418 119.024,142.418 ; 119.812,136.833 H1.48@121.096,135.548 ; 119.812,141.63 119.024,142.418 ; 122.352,136.833 H1.50@123.636,135.548 ; 122.352,141.63 121.564,142.418 119.024,142.418
  Control Signals 1 w1: H1.50@123.636,135.548 H1.52@126.176,135.548
  Bottom Layer w0.5: RLCL_C2_1.1@62.203,120.612 62.203,121.363 v2(61.938,121.628) 62.573,121.628 62.812,121.867 RLCL_U1_1.8@63.409,121.867
PC-104_LCL_5V: H2.25 H2.26 RLCL_C2_2.1 RLCL_R1_2.2 RLCL_R4_2.2 RLCL_U1_2.8 | length 54.1
  Top Layer w0.3: RLCL_R4_2.2@103.135,99.568 104.278,99.568 RLCL_C2_2.1@104.902,100.192 105.167,100.457 106.045,100.457 106.717,101.129 v2(106.717,101.346)
  Top Layer w0.6: RLCL_U1_2.8@103.198,104.663 103.702,105.167 RLCL_R1_2.2@104.902,105.167 105.653,105.167 106.172,104.648 106.172,104.013 106.68,103.505 v2(106.68,101.981)
  Signal 1 w0.4: 94.4,131.2 94.4,137.7
  Signal 1 w0.8: H2.25@93.156,138.088 H2.26@93.156,140.628 ; 94.361,131.2 94.361,118.364 105.41,107.315 105.41,104.267 106.68,102.997 v2(106.68,101.981)
PC-104_LCL_CAMNADIR_3V3: H2.37 LCL_C2_3.1 LCL_R1_3.2 LCL_U1_3.8 | length 35
  Control Signals 1 w0.4: H2.37@108.396,138.088 109.728,136.756 109.728,131.445
  Control Signals 1 w0.6: v2(88.4,130.7) 89.687,129.413 107.696,129.413 109.728,131.445
  Bottom Layer w0.6: LCL_U1_3.8@86.42,129.86 86.42,131.02 86.7,131.3 87.6,131.3 87.8,131.1 LCL_R1_3.2@87.8,130.1 87.9,130.2 LCL_C2_3.1@89.1,130.2
PC-104_LCL_CAMWING_3V3: H2.35 LCL_C2_4.1 LCL_R1_4.2 LCL_U1_4.8 | length 61.5
  Control Signals 1 w0.4: H2.35@105.856,138.088 107.086,139.319 111.633,139.319 112.268,138.684 112.268,132.182
  Control Signals 1 w0.6: v1(74.93,131.064) 81.788,131.064 82.931,129.921 87.249,129.921 89.027,128.143 95.25,128.143 96.139,127.254 98.806,127.254 99.695,128.143 108.229,128.143 112.268,132.182
  Bottom Layer w0.5: v1(74.93,131.064) 74.93,130.07 76.2,128.8 LCL_C2_4.1@76.5,128.8
  Bottom Layer w0.6: LCL_U1_4.8@73.22,129.96 73.22,131.12 73.5,131.4 74.4,131.4 74.6,131.2 LCL_R1_4.2@74.6,130.2
PC-104_LCL_SADSMAIN: H1.39 LCLTK_Q3_1.D | length 68.3
  Power w0.6: 73.787,105.156 74.549,105.156 75.438,106.045 75.438,115.189 76.962,116.713 95.504,116.713 100.33,121.539 105.537,121.539 108.856,124.858 108.856,127.779 110.936,129.859 H1.39@110.936,133.008
  Bottom Layer w0.6: LCLTK_Q3_1.D@71.59,106.72 71.59,107.89 71.9,108.2 72.6,108.2 72.86,107.94 ; v1(73.152,105.41) 72.86,105.956 LCLTK_Q3_1.D@72.86,106.72 72.86,107.94 ; LCLTK_Q3_1.D@74.13,106.72 74.13,107.77 ; LCLTK_Q3_1.D@75.4,106.72 75.4,107.9 75.1,108.2 74.4,108.2 74.13,107.93 74.13,107.77 ; 72.86,107.94 72.86,107.96 73.1,108.2 73.7,108.2 74.13,107.77
  other v1: 73.406,104.902
PC-104_LCL_SADSRED: H1.40 LCLTK_Q3_2.D | length 76.7
  Power w0.4: 109.728,131.699 109.728,134.34 H1.40@110.936,135.548
  Power w0.6: v1(56.515,111.252) 59.69,114.427 61.849,114.427 63.373,115.951 74.549,115.951 77.724,119.126 93.218,119.126 96.012,121.92 97.79,121.92 100.33,124.46 105.791,124.46 107.315,125.984 107.315,128.397 109.728,130.81 109.728,131.699
  Bottom Layer w0.6: LCLTK_Q3_2.D@51.95,111.38 51.95,110.2 52.25,109.9 52.95,109.9 53.22,110.17 53.22,110.33 ; LCLTK_Q3_2.D@53.22,111.38 53.22,110.33 ; LCLTK_Q3_2.D@54.49,111.38 54.49,110.16 ; LCLTK_Q3_2.D@55.76,111.38 55.76,110.878 55.245,110.363 54.693,110.363 54.49,110.16 ; 53.22,110.33 53.65,109.9 54.25,109.9 54.49,110.14 54.49,110.16
  other v1: 56.515,110.744
PC-104_LCL_SAILMAIN: H1.37 LCLTK_Q1_1.D | length 51.7
  Power w0.6: 74.549,118.364 74.549,118.745 76.454,120.65 81.788,120.65 88.392,127.254 98.044,127.254 99.187,128.397 105.537,128.397 108.396,131.256 H1.37@108.396,133.008
  Bottom Layer w0.6: LCLTK_Q1_1.D@76.28,116.09 74.81,116.09 74.5,116.4 74.5,117.1 74.76,117.36 74.94,117.36 ; LCLTK_Q1_1.D@76.28,117.36 74.94,117.36 ; LCLTK_Q1_1.D@76.28,118.63 74.73,118.63 ; LCLTK_Q1_1.D@76.28,119.9 74.8,119.9 74.5,119.6 74.5,119 74.73,118.77 74.73,118.63 ; 74.73,118.63 74.73,118.53 74.5,118.3 74.5,117.8 74.94,117.36
  other v1: 74.295,117.983 74.803,117.983
PC-104_LCL_SAILRED: H1.38 LCLTK_Q1_2.D | length 90.2
  Power w0.4: 104.14,130.556 104.648,131.064 104.648,133.731 105.257,134.34 107.188,134.34 H1.38@108.396,135.548
  Power w0.6: v1(53.975,99.822) 53.975,102.997 54.864,103.886 54.864,109.347 54.102,110.109 54.102,113.157 57.912,116.967 59.626,116.967 60.134,116.459 61.468,116.459 61.976,116.967 67.437,116.967 72.517,122.047 74.422,122.047 79.121,126.746 85.852,126.746 87.503,128.397 95.885,128.397 96.901,129.413 102.997,129.413 104.14,130.556
  Bottom Layer w0.6: LCLTK_Q1_2.D@52.27,98.2 53.65,98.2 54.05,98.6 v1@54.05,99.8 ; LCLTK_Q1_2.D@52.27,99.47 53.72,99.47 v1@54.05,99.8 ; LCLTK_Q1_2.D@52.27,100.74 53.79,100.74 ; LCLTK_Q1_2.D@52.27,102.01 53.74,102.01 54.05,101.7 54.05,101 53.79,100.74 ; 53.79,100.74 54.05,100.48 v1@54.05,99.8
  other v1: 53.975,99.314
PC-104_LCL_SENS_5V: H1.35 LCL_C2_5.1 LCL_R1_5.2 LCL_U1_5.8 | length 11.4
  Top Layer w0.4: LCL_R1_5.2@101.8,127.5 102.1,127.2 v1(102.616,126.873)
  Bottom Layer w0.5: 103.964,127.967 LCL_C2_5.1@104.991,127.967
  Bottom Layer w0.7: LCL_U1_5.8@100.94,126.9 102.516,126.9 103.378,127.762 103.759,127.762 103.964,127.967 ; 103.886,127.967 103.886,130.556 105.856,132.526 H1.35@105.856,133.008
PC-104_LCL_SUNS_3V3: H2.39 LCL_C2_6.1 LCL_R1_6.2 LCL_U1_6.8 | length 46
  Power w0.4: H2.39@110.936,138.088 112.268,136.756 112.268,131.699
  Power w0.6: 112.268,131.699 112.268,131.064 112.903,130.429 116.459,130.429 118.237,128.651 118.237,116.967 119.507,115.697 119.507,106.807 v1(121.793,104.521)
  Bottom Layer w0.5: LCL_R1_6.2@117.3,103.6 117.459,103.759 118.872,103.759 120.093,104.98 LCL_U1_6.8@120.66,104.98 122.39,104.98 LCL_C2_6.1@122.517,104.853
PC-104_LCL_VBAT: H2.45 H2.46 HK_R1_3.1 HK_R3_3.1 | length 38.9
  Top Layer w0.4: v2(119.8,131.327) 119.8,137.7
  Top Layer w1: H2.45@118.556,138.088 H2.46@118.556,140.628
  Power w0.4: v2(119.8,131.327) 119.8,137.7
  Power w1: H2.45@118.556,138.088 H2.46@118.556,140.628
  Signal 1 w0.4: v2(119.8,131.327) 119.8,137.827
  Signal 1 w1: H2.45@118.556,138.088 H2.46@118.556,140.628
  Bottom Layer w0.4: HK_R3_3.1@113.549,130.175 119.575,130.175 v2(119.8,130.4)
  Bottom Layer w1: HK_R1_3.1@116.408,126.111 119.8,129.503 v2(119.8,130.4)